# Allegro board 8880F5-0827_6.brd (continued)
## Routing (per net, layer and track width the routed paths; a pad name or vN(x,y) marks a point on that pad's centre or on a via; arc(x,y) is an arc through that point) (continued)
; 190.5,414.48 DPS8.A05 ; DPS8.A05 190.5,416.1 ; DPS8.A05 189.69,415.29 ; DPS8.A05 191.31,415.29 ; D122.A12 262.43,76.2 ; D122.A12 260.81,76.2 ; D122.A12 261.62,75.39 ; D122.A12 261.62,77.01 ; D106.A14 414.83,76.2 ; D106.A14 414.02,75.39 ; D106.A14 414.02,77.01 ; D106.A14 413.21,76.2 ; 14.43,35.56 D128.A2 ; D128.A2 15.24,36.37 ; D128.A2 15.24,34.75 ; D128.A2 16.05,35.56 ; 396.24,334.47 D109.A11 ; D109.A11 395.43,335.28 ; D109.A11 397.05,335.28 ; D109.A11 396.24,336.09 ; D231.B16 162.56,369.11 ; D231.B16 163.37,368.3 ; D231.B16 162.56,367.49 ; D231.B16 161.75,368.3 ; 403.15,71.12 D306.B10 ; D306.B10 403.86,71.83 ; D306.B10 404.57,71.12 ; D306.B10 403.86,70.41 ; 319.23,60.96 D103.B6 ; D103.B6 320.04,61.77 ; D103.B6 320.85,60.96 ; D103.B6 320.04,60.15 ; D115.B4 341.17,368.3 ; D115.B4 339.55,368.3 ; D115.B4 340.36,369.11 ; D115.B4 340.36,367.49 ; 256.54,342.09 CSDPS425.B8 ; CSDPS425.B8 257.35,342.9 ; CSDPS425.B8 255.73,342.9 ; CSDPS425.B8 256.54,343.71 ; 175.26,380.19 D431.B11 ; D431.B11 176.07,381 ; D431.B11 175.26,381.81 ; D431.B11 174.45,381 ; D431.B2 198.12,379.27 ; D431.B2 198.93,378.46 ; D431.B2 198.12,377.65 ; D431.B2 197.31,378.46 ; 408.94,367.49 D111.B6 ; D111.B6 408.13,368.3 ; D111.B6 408.94,369.11 ; D111.B6 409.75,368.3 ; D118.A15 196.39,73.66 ; D118.A15 195.58,72.85 ; D118.A15 194.77,73.66 ; D118.A15 195.58,74.47 ; D127.A10 35.56,56.69 ; D127.A10 36.37,55.88 ; D127.A10 35.56,55.07 ; D127.A10 34.75,55.88 ; D127.B10 35.56,61.77 ; D127.B10 34.75,60.96 ; D127.B10 35.56,60.15 ; D127.B10 36.37,60.96 ; 258.37,83.82 D321.A11 ; D321.A11 259.08,84.53 ; D321.A11 259.08,83.11 ; D321.A11 259.79,83.82 ; 160.02,380.19 D431.B17 ; D431.B17 160.83,381 ; D431.B17 160.02,381.81 ; D431.B17 159.21,381 ; DPS8.C05 190.5,411.02 ; DPS8.C05 189.69,410.21 ; DPS8.C05 191.31,410.21 ; DPS8.C05 190.5,409.4 ; 111.76,77.93 D130.B11 ; D130.B11 110.95,78.74 ; D130.B11 111.76,79.55 ; D130.B11 112.57,78.74 ; 187.15,332.74 CSDPS229.B6 ; CSDPS229.B6 188.77,332.74 ; CSDPS229.B6 187.96,333.55 ; CSDPS229.B6 187.96,331.93 ; 266.7,85.65 D321.A14 ; D321.A14 267.41,86.36 ; D321.A14 265.99,86.36 ; D321.A14 266.7,87.07 ; CSDPS425.C13 244.65,340.36 ; CSDPS425.C13 243.03,340.36 ; CSDPS425.C13 243.84,339.55 ; CSDPS425.C13 243.84,341.17 ; D124.B10 256.54,41.45 ; D124.B10 257.35,40.64 ; D124.B10 256.54,39.83 ; D124.B10 255.73,40.64 ; D112.B12 394.51,388.62 ; D112.B12 393.7,387.81 ; D112.B12 392.89,388.62 ; D112.B12 393.7,389.43 ; 161.85,91.44 D317.B2 ; D317.B2 163.27,91.44 ; D317.B2 162.56,92.15 ; D317.B2 162.56,90.73 ; 322.58,395.43 D116.A11 ; D116.A11 322.58,397.05 ; D116.A11 321.77,396.24 ; D116.A11 323.39,396.24 ; D124.A8 252.27,35.56 ; D124.A8 251.46,36.37 ; D124.A8 251.46,34.75 ; D124.A8 250.65,35.56 ; 413.31,71.12 D306.B14 ; D306.B14 414.02,70.41 ; D306.B14 414.02,71.83 ; D306.B14 414.73,71.12 ; D118.A3 165.91,73.66 ; D118.A3 164.29,73.66 ; D118.A3 165.1,74.47 ; D118.A3 165.1,72.85 ; 306.63,83.82 D301.A1 ; D301.A1 307.34,83.11 ; D301.A1 308.05,83.82 ; D301.A1 307.34,84.53 ; D301.B12 335.28,92.15 ; D301.B12 335.28,90.73 ; D301.B12 334.57,91.44 ; D301.B12 335.99,91.44 ; D106.B16 419.1,82.09 ; D106.B16 419.91,81.28 ; D106.B16 418.29,81.28 ; D106.B16 419.1,80.47 ; 418.39,71.12 D306.B16 ; D306.B16 419.1,70.41 ; D306.B16 419.1,71.83 ; D306.B16 419.81,71.12 ; D119.A10 183.69,55.88 ; D119.A10 182.88,56.69 ; D119.A10 182.07,55.88 ; D119.A10 182.88,55.07 ; D321.A6 247.09,86.36 ; D321.A6 246.38,87.07 ; D321.A6 246.38,85.65 ; D321.A6 245.67,86.36 ; 405.59,38.1 D108.B11 ; D108.B11 407.21,38.1 ; D108.B11 406.4,37.29 ; D108.B11 406.4,38.91 ; D126.B2 16.05,81.28 ; D126.B2 15.24,82.09 ; D126.B2 15.24,80.47 ; D126.B2 14.43,81.28 ; CSDPS225.B4 266.7,333.55 ; CSDPS225.B4 266.7,331.93 ; CSDPS225.B4 267.51,332.74 ; CSDPS225.B4 265.89,332.74 ; D116.A8 331.01,393.7 ; D116.A8 329.39,393.7 ; D116.A8 330.2,394.51 ; D116.A8 330.2,392.89 ; 395.43,396.24 D112.A11 ; D112.A11 397.05,396.24 ; D112.A11 396.24,395.43 ; D112.A11 396.24,397.05 ; D115.B7 332.74,371.65 ; D115.B7 332.74,370.03 ; D115.B7 331.93,370.84 ; D115.B7 333.55,370.84 ; D128.A16 51.61,35.56 ; D128.A16 50.8,34.75 ; D128.A16 49.99,35.56 ; D128.A16 50.8,36.37 ; D119.B6 172.72,61.77 ; D119.B6 171.91,60.96 ; D119.B6 172.72,60.15 ; D119.B6 173.53,60.96 ; D127.B4 21.13,60.96 ; D127.B4 20.32,60.15 ; D127.B4 20.32,61.77 ; D127.B4 19.51,60.96 ; D321.A2 236.22,87.07 ; D321.A2 235.51,86.36 ; D321.A2 236.22,85.65 ; D321.A2 236.93,86.36 ; 44.91,35.56 D128.A14 ; D128.A14 45.72,36.37 ; D128.A14 46.53,35.56 ; D128.A14 45.72,34.75 ; CSDPS425.C5 264.16,341.17 ; CSDPS425.C5 263.35,340.36 ; CSDPS425.C5 264.16,339.55 ; CSDPS425.C5 264.97,340.36 ; 309.07,373.38 D115.A16 ; D115.A16 309.88,374.19 ; D115.A16 309.88,372.57 ; D115.A16 310.69,373.38 ; 233.68,67.87 D322.B1 ; D322.B1 233.68,69.29 ; D322.B1 234.39,68.58 ; D322.B1 232.97,68.58 ; 251.46,331.93 CSDPS225.B10 ; CSDPS225.B10 251.46,333.55 ; CSDPS225.B10 252.27,332.74 ; CSDPS225.B10 250.65,332.74 ; CSDPS229.C9 180.34,331.01 ; CSDPS229.C9 181.15,330.2 ; CSDPS229.C9 179.53,330.2 ; CSDPS229.C9 180.34,329.39 ; D102.A6 320.85,76.2 ; D102.A6 320.04,75.39 ; D102.A6 319.23,76.2 ; D102.A6 320.04,77.01 ; SITE4.G2 329.33,181.81 ; SITE4.G2 329.33,180.85 ; SITE4.G2 329.81,181.33 ; SITE4.G2 328.85,181.33 ; D126.A12 41.45,76.2 ; D126.A12 39.83,76.2 ; D126.A12 40.64,77.01 ; D126.A12 40.64,75.39 ; D231.A3 196.39,375.92 ; D231.A3 194.77,375.92 ; D231.A3 195.58,376.73 ; D231.A3 195.58,375.11 ; 198.12,75.39 D118.A16 ; D118.A16 198.12,77.01 ; D118.A16 198.93,76.2 ; D118.A16 197.31,76.2 ; D125.B11 38.91,99.06 ; D125.B11 37.29,99.06 ; D125.B11 38.1,98.25 ; D125.B11 38.1,99.87 ; D118.A14 193.85,76.2 ; D118.A14 193.04,75.39 ; D118.A14 192.23,76.2 ; D118.A14 193.04,77.01 ; D321.B14 267.41,91.44 ; D321.B14 266.7,92.15 ; D321.B14 265.99,91.44 ; D321.B14 266.7,90.73 ; D102.B14 341.17,81.28 ; D102.B14 340.36,80.47 ; D102.B14 340.36,82.09 ; D102.B14 339.55,81.28 ; D431.B14 167.64,379.27 ; D431.B14 166.83,378.46 ; D431.B14 167.64,377.65 ; D431.B14 168.45,378.46 ; D317.B9 181.05,88.9 ; D317.B9 179.63,88.9 ; D317.B9 180.34,89.61 ; D317.B9 180.34,88.19 ; D301.A8 325.83,86.36 ; D301.A8 325.12,85.65 ; D301.A8 325.12,87.07 ; D301.A8 324.41,86.36 ; 392.99,66.04 D306.A6 ; D306.A6 394.41,66.04 ; D306.A6 393.7,65.33 ; D306.A6 393.7,66.75 ; 314.25,91.44 D301.B4 ; D301.B4 314.96,90.73 ; D301.B4 315.67,91.44 ; D301.B4 314.96,92.15 ; 110.95,38.1 D132.B11 ; D132.B11 111.76,38.91 ; D132.B11 111.76,37.29 ; D132.B11 112.57,38.1 ; 419.1,392.89 D112.A2 ; D112.A2 419.1,394.51 ; D112.A2 419.91,393.7 ; D112.A2 418.29,393.7 ; D118.B5 170.99,78.74 ; D118.B5 170.18,79.55 ; D118.B5 169.37,78.74 ; D118.B5 170.18,77.93 ; D130.A12 115.11,76.2 ; D130.A12 114.3,75.39 ; D130.A12 114.3,77.01 ; D130.A12 113.49,76.2 ; 334.47,55.88 D103.A12 ; D103.A12 335.28,55.07 ; D103.A12 336.09,55.88 ; D103.A12 335.28,56.69 ; D103.B2 310.69,60.96 ; D103.B2 309.88,60.15 ; D103.B2 309.88,61.77 ; D103.B2 309.07,60.96 ; D125.B16 51.61,101.6 ; D125.B16 49.99,101.6 ; D125.B16 50.8,100.79 ; D125.B16 50.8,102.41 ; 320.04,39.83 D104.B6 ; D104.B6 319.23,40.64 ; D104.B6 320.04,41.45 ; D104.B6 320.85,40.64 ; 322.58,57.61 D103.B7 ; D103.B7 322.58,59.23 ; D103.B7 321.77,58.42 ; D103.B7 323.39,58.42 ; D115.A4 341.17,373.38 ; D115.A4 340.36,372.57 ; D115.A4 339.55,373.38 ; D115.A4 340.36,374.19 ; 195.58,88.19 D317.B15 ; D317.B15 194.87,88.9 ; D317.B15 195.58,89.61 ; D317.B15 196.29,88.9 ; 401.32,67.87 D306.B9 ; D306.B9 402.03,68.58 ; D306.B9 400.61,68.58 ; D306.B9 401.32,69.29 ; 37.29,58.42 D127.B11 ; D127.B11 38.1,59.23 ; D127.B11 38.91,58.42 ; D127.B11 38.1,57.61 ; 314.96,70.41 D302.B4 ; D302.B4 314.25,71.12 ; D302.B4 315.67,71.12 ; D302.B4 314.96,71.83 ; D123.A1 234.49,53.34 ; D123.A1 232.87,53.34 ; D123.A1 233.68,52.53 ; D123.A1 233.68,54.15 ; 243.13,63.5 D322.A5 ; D322.A5 244.55,63.5 ; D322.A5 243.84,62.79 ; D322.A5 243.84,64.21 ; 382.73,35.56 D108.A2 ; D108.A2 384.35,35.56 ; D108.A2 383.54,34.75 ; D108.A2 383.54,36.37 ; 124.46,100.79 D129.B16 ; D129.B16 124.46,102.41 ; D129.B16 125.27,101.6 ; D129.B16 123.65,101.6 ; 192.33,91.44 D317.B14 ; D317.B14 193.04,92.15 ; D317.B14 193.04,90.73 ; D317.B14 193.75,91.44 ; D120.B7 176.07,38.1 ; D120.B7 175.26,37.29 ; D120.B7 174.45,38.1 ; D120.B7 175.26,38.91 ; 19.51,55.88 D127.A4 ; D127.A4 20.32,55.07 ; D127.A4 21.13,55.88 ; D127.A4 20.32,56.69 ; 171.91,76.2 D118.A6 ; D118.A6 173.53,76.2 ; D118.A6 172.72,75.39 ; D118.A6 172.72,77.01 ; 16.97,58.42 D127.B3 ; D127.B3 17.78,59.23 ; D127.B3 18.59,58.42 ; D127.B3 17.78,57.61 ; 344.63,40.64 D104.B16 ; D104.B16 345.44,41.45 ; D104.B16 345.44,39.83 ; D104.B16 346.25,40.64 ; D114.A4 340.36,353.87 ; D114.A4 341.17,353.06 ; D114.A4 339.55,353.06 ; D114.A4 340.36,352.25 ; D128.B12 41.45,40.64 ; D128.B12 39.83,40.64 ; D128.B12 40.64,41.45 ; D128.B12 40.64,39.83 ; D104.A13 338.63,33.02 ; D104.A13 337.82,33.83 ; D104.A13 337.82,32.21 ; D104.A13 337.01,33.02 ; 180.34,57.61 D119.B9 ; D119.B9 179.53,58.42 ; D119.B9 180.34,59.23 ; D119.B9 181.15,58.42 ; D125.A12 40.64,97.33 ; D125.A12 39.83,96.52 ; D125.A12 41.45,96.52 ; D125.A12 40.64,95.71 ; 165.1,385.27 D431.A15 ; D431.A15 165.1,386.89 ; D431.A15 165.91,386.08 ; D431.A15 164.29,386.08 ; D128.B15 48.26,38.91 ; D128.B15 47.45,38.1 ; D128.B15 48.26,37.29 ; D128.B15 49.07,38.1 ; 415.85,68.58 D306.B15 ; D306.B15 417.27,68.58 ; D306.B15 416.56,69.29 ; D306.B15 416.56,67.87 ; CSDPS429.B10 177.8,343.71 ; CSDPS429.B10 176.99,342.9 ; CSDPS429.B10 177.8,342.09 ; CSDPS429.B10 178.61,342.9 ; 165.1,370.03 D231.B15 ; D231.B15 164.29,370.84 ; D231.B15 165.91,370.84 ; D231.B15 165.1,371.65 ; 48.26,77.93 D126.B15 ; D126.B15 49.07,78.74 ; D126.B15 48.26,79.55 ; D126.B15 47.45,78.74 ; 339.65,71.12 D302.B14 ; D302.B14 340.36,71.83 ; D302.B14 341.07,71.12 ; D302.B14 340.36,70.41 ; D113.A4 341.17,332.74 ; D113.A4 340.36,333.55 ; D113.A4 340.36,331.93 ; D113.A4 339.55,332.74 ; D231.B1 200.66,371.65 ; D231.B1 201.47,370.84 ; D231.B1 199.85,370.84 ; D231.B1 200.66,370.03 ; D103.B8 325.12,61.77 ; D103.B8 325.12,60.15 ; D103.B8 325.93,60.96 ; D103.B8 324.31,60.96 ; 335.28,85.65 D301.A12 ; D301.A12 334.57,86.36 ; D301.A12 335.99,86.36 ; D301.A12 335.28,87.07 ; D107.A10 404.67,55.88 ; D107.A10 403.86,55.07 ; D107.A10 403.86,56.69 ; D107.A10 403.05,55.88 ; D131.A1 87.17,53.34 ; D131.A1 86.36,52.53 ; D131.A1 86.36,54.15 ; D131.A1 85.55,53.34 ; SITE4.G12 333.33,188.41 ; SITE4.G12 332.85,187.93 ; SITE4.G12 333.81,187.93 ; SITE4.G12 333.33,187.45 ; D114.A15 312.42,356.41 ; D114.A15 312.42,354.79 ; D114.A15 313.23,355.6 ; D114.A15 311.61,355.6 ; 14.43,55.88 D127.A2 ; D127.A2 15.24,56.69 ; D127.A2 15.24,55.07 ; D127.A2 16.05,55.88 ; 309.07,76.2 D102.A2 ; D102.A2 310.69,76.2 ; D102.A2 309.88,75.39 ; D102.A2 309.88,77.01 ; D125.B10 36.37,101.6 ; D125.B10 35.56,102.41 ; D125.B10 35.56,100.79 ; D125.B10 34.75,101.6 ; 12.7,77.93 D126.B1 ; D126.B1 13.51,78.74 ; D126.B1 12.7,79.55 ; D126.B1 11.89,78.74 ; D132.B13 116.84,38.91 ; D132.B13 117.65,38.1 ; D132.B13 116.03,38.1 ; D132.B13 116.84,37.29 ; 408.94,75.39 D106.A12 ; D106.A12 409.75,76.2 ; D106.A12 408.94,77.01 ; D106.A12 408.13,76.2 ; D109.A16 383.54,333.55 ; D109.A16 383.54,331.93 ; D109.A16 382.73,332.74 ; D109.A16 384.35,332.74 ; D119.A5 170.99,53.34 ; D119.A5 169.37,53.34 ; D119.A5 170.18,54.15 ; D119.A5 170.18,52.53 ; D103.B3 312.42,59.23 ; D103.B3 313.23,58.42 ; D103.B3 312.42,57.61 ; D103.B3 311.61,58.42 ; 190.5,37.29 D120.B13 ; D120.B13 189.69,38.1 ; D120.B13 190.5,38.91 ; D120.B13 191.31,38.1 ; 166.93,66.04 D318.A4 ; D318.A4 167.64,66.75 ; D318.A4 167.64,65.33 ; D318.A4 168.35,66.04 ; D305.B13 411.48,89.61 ; D305.B13 410.77,88.9 ; D305.B13 411.48,88.19 ; D305.B13 412.19,88.9 ; CSDPS425.C3 269.24,341.17 ; CSDPS425.C3 268.43,340.36 ; CSDPS425.C3 269.24,339.55 ; CSDPS425.C3 270.05,340.36 ; D112.B3 416.56,391.97 ; D112.B3 415.75,391.16 ; D112.B3 416.56,390.35 ; D112.B3 417.37,391.16 ; D128.A4 20.32,36.37 ; D128.A4 21.13,35.56 ; D128.A4 19.51,35.56 ; D128.A4 20.32,34.75 ; D111.A3 417.37,375.92 ; D111.A3 416.56,376.73 ; D111.A3 415.75,375.92 ; D111.A3 416.56,375.11 ; 29.67,101.6 D125.B8 ; D125.B8 31.29,101.6 ; D125.B8 30.48,100.79 ; D125.B8 30.48,102.41 ; 20.32,100.79 D125.B4 ; D125.B4 19.51,101.6 ; D125.B4 20.32,102.41 ; D125.B4 21.13,101.6 ; 329.85,187.93 SITE4.G9 ; SITE4.G9 330.33,188.41 ; SITE4.G9 330.33,187.45 ; SITE4.G9 330.81,187.93 ; D115.A11 322.58,376.73 ; D115.A11 323.39,375.92 ; D115.A11 322.58,375.11 ; D115.A11 321.77,375.92 ; 35.56,80.47 D126.B10 ; D126.B10 34.75,81.28 ; D126.B10 35.56,82.09 ; D126.B10 36.37,81.28 ; D110.A10 399.59,353.06 ; D110.A10 397.97,353.06 ; D110.A10 398.78,353.87 ; D110.A10 398.78,352.25 ; 86.36,32.21 D132.A1 ; D132.A1 87.17,33.02 ; D132.A1 85.55,33.02 ; D132.A1 86.36,33.83 ; D106.A6 394.51,76.2 ; D106.A6 392.89,76.2 ; D106.A6 393.7,77.01 ; D106.A6 393.7,75.39 ; 344.63,327.66 D113.B2 ; D113.B2 346.25,327.66 ; D113.B2 345.44,328.47 ; D113.B2 345.44,326.85 ; D107.A2 384.35,55.88 ; D107.A2 382.73,55.88 ; D107.A2 383.54,56.69 ; D107.A2 383.54,55.07 ; 383.54,352.25 D110.A16 ; D110.A16 382.73,353.06 ; D110.A16 384.35,353.06 ; D110.A16 383.54,353.87 ; CSDPS229.C3 195.58,331.01 ; CSDPS229.C3 196.39,330.2 ; CSDPS229.C3 194.77,330.2 ; CSDPS229.C3 195.58,329.39 ; D102.A16 345.44,77.01 ; D102.A16 345.44,75.39 ; D102.A16 346.25,76.2 ; D102.A16 344.63,76.2 ; D301.B13 337.82,89.61 ; D301.B13 337.11,88.9 ; D301.B13 338.53,88.9 ; D301.B13 337.82,88.19 ; D231.A2 198.93,373.38 ; D231.A2 197.31,373.38 ; D231.A2 198.12,374.19 ; D231.A2 198.12,372.57 ; D131.A12 115.11,55.88 ; D131.A12 114.3,56.69 ; D131.A12 113.49,55.88 ; D131.A12 114.3,55.07 ; 332.74,334.47 D113.A7 ; D113.A7 331.93,335.28 ; D113.A7 333.55,335.28 ; D113.A7 332.74,336.09 ; D114.A13 317.5,356.41 ; D114.A13 317.5,354.79 ; D114.A13 316.69,355.6 ; D114.A13 318.31,355.6 ; 263.35,330.2 CSDPS225.C5 ; CSDPS225.C5 264.16,329.39 ; CSDPS225.C5 264.16,331.01 ; CSDPS225.C5 264.97,330.2 ; D102.B7 322.58,79.55 ; D102.B7 321.77,78.74 ; D102.B7 323.39,78.74 ; D102.B7 322.58,77.93 ; 312.42,349.71 D114.B15 ; D114.B15 313.23,350.52 ; D114.B15 312.42,351.33 ; D114.B15 311.61,350.52 ; D122.A5 244.65,73.66 ; D122.A5 243.03,73.66 ; D122.A5 243.84,74.47 ; D122.A5 243.84,72.85 ; D131.A5 96.52,54.15 ; D131.A5 97.33,53.34 ; D131.A5 95.71,53.34 ; D131.A5 96.52,52.53 ; D306.B4 388.62,71.83 ; D306.B4 387.91,71.12 ; D306.B4 388.62,70.41 ; D306.B4 389.33,71.12 ; 190.5,375.11 D231.A5 ; D231.A5 190.5,376.73 ; D231.A5 191.31,375.92 ; D231.A5 189.69,375.92 ; D231.B10 177.8,369.11 ; D231.B10 177.8,367.49 ; D231.B10 178.61,368.3 ; D231.B10 176.99,368.3 ; 317.5,370.03 D115.B13 ; D115.B13 317.5,371.65 ; D115.B13 316.69,370.84 ; D115.B13 318.31,370.84 ; D111.B14 389.43,368.3 ; D111.B14 388.62,369.11 ; D111.B14 388.62,367.49 ; D111.B14 387.81,368.3 ; 328.85,247.93 SITE2.G8 ; SITE2.G8 329.81,247.93 ; SITE2.G8 329.33,248.41 ; SITE2.G8 329.33,247.45 ; D322.B2 236.93,71.12 ; D322.B2 235.51,71.12 ; D322.B2 236.22,71.83 ; D322.B2 236.22,70.41 ; 325.12,347.17 D114.B10 ; D114.B10 325.93,347.98 ; D114.B10 325.12,348.79 ; D114.B10 324.31,347.98 ; 175.26,72.85 D118.A7 ; D118.A7 174.45,73.66 ; D118.A7 176.07,73.66 ; D118.A7 175.26,74.47 ; D130.B7 101.6,79.55 ; D130.B7 100.79,78.74 ; D130.B7 102.41,78.74 ; D130.B7 101.6,77.93 ; 385.27,355.6 D110.A15 ; D110.A15 386.08,356.41 ; D110.A15 386.08,354.79 ; D110.A15 386.89,355.6 ; 252.33,187.45 SITE3.G11 ; SITE3.G11 252.33,188.41 ; SITE3.G11 251.85,187.93 ; SITE3.G11 252.81,187.93 ; 22.05,99.06 D125.B5 ; D125.B5 22.86,99.87 ; D125.B5 23.67,99.06 ; D125.B5 22.86,98.25 ; D128.B14 45.72,41.45 ; D128.B14 46.53,40.64 ; D128.B14 44.91,40.64 ; D128.B14 45.72,39.83 ; 105.87,99.06 D129.B9 ; D129.B9 107.49,99.06 ; D129.B9 106.68,98.25 ; D129.B9 106.68,99.87 ; CSDPS429.B8 183.69,342.9 ; CSDPS429.B8 182.88,343.71 ; CSDPS429.B8 182.07,342.9 ; CSDPS429.B8 182.88,342.09 ; D116.B4 340.36,389.43 ; D116.B4 340.36,387.81 ; D116.B4 341.17,388.62 ; D116.B4 339.55,388.62 ; 390.45,83.82 D305.A5 ; D305.A5 391.16,84.53 ; D305.A5 391.16,83.11 ; D305.A5 391.87,83.82 ; D113.B6 336.09,327.66 ; D113.B6 335.28,328.47 ; D113.B6 334.47,327.66 ; D113.B6 335.28,326.85 ; 44.91,96.52 D125.A14 ; D125.A14 46.53,96.52 ; D125.A14 45.72,97.33 ; D125.A14 45.72,95.71 ; D118.B8 177.8,82.09 ; D118.B8 176.99,81.28 ; D118.B8 178.61,81.28 ; D118.B8 177.8,80.47 ; D131.B16 125.27,60.96 ; D131.B16 124.46,61.77 ; D131.B16 123.65,60.96 ; D131.B16 124.46,60.15 ; 264.16,32.21 D124.A13 ; D124.A13 264.16,33.83 ; D124.A13 264.97,33.02 ; D124.A13 263.35,33.02 ; SITE1.G17 249.51,246.43 ; SITE1.G17 249.03,246.91 ; SITE1.G17 248.55,246.43 ; SITE1.G17 249.03,245.95 ; D305.B1 381,89.61 ; D305.B1 380.29,88.9 ; D305.B1 381.71,88.9 ; D305.B1 381,88.19 ; 331.93,375.92 D115.A7 ; D115.A7 333.55,375.92 ; D115.A7 332.74,375.11 ; D115.A7 332.74,376.73 ; 97.4,174.52 UNK3U2.4 ; UNK3U2.4 96.46,175.46 ; UNK3U2.4 98.34,175.46 ; UNK3U2.4 97.4,176.4 ; D231.A15 165.91,375.92 ; D231.A15 165.1,375.11 ; D231.A15 165.1,376.73 ; D231.A15 164.29,375.92 ; D122.B3 238.76,79.55 ; D122.B3 239.57,78.74 ; D122.B3 238.76,77.93 ; D122.B3 237.95,78.74 ; 261.62,55.07 D123.A12 ; D123.A12 262.43,55.88 ; D123.A12 260.81,55.88 ; D123.A12 261.62,56.69 ; 256.54,331.93 CSDPS225.B8 ; CSDPS225.B8 255.73,332.74 ; CSDPS225.B8 257.35,332.74 ; CSDPS225.B8 256.54,333.55 ; 269.24,77.93 D122.B15 ; D122.B15 269.24,79.55 ; D122.B15 270.05,78.74 ; D122.B15 268.43,78.74 ; D131.A4 94.79,55.88 ; D131.A4 93.17,55.88 ; D131.A4 93.98,55.07 ; D131.A4 93.98,56.69 ; 170.18,37.29 D120.B5 ; D120.B5 169.37,38.1 ; D120.B5 170.99,38.1 ; D120.B5 170.18,38.91 ; 410.77,68.58 D306.B13 ; D306.B13 411.48,69.29 ; D306.B13 412.19,68.58 ; D306.B13 411.48,67.87 ; 337.82,72.85 D102.A13 ; D102.A13 337.82,74.47 ; D102.A13 338.63,73.66 ; D102.A13 337.01,73.66 ; D106.A7 396.24,74.47 ; D106.A7 395.43,73.66 ; D106.A7 396.24,72.85 ; D106.A7 397.05,73.66 ; D119.A13 190.5,54.15 ; D119.A13 191.31,53.34 ; D119.A13 190.5,52.53 ; D119.A13 189.69,53.34 ; D131.A10 110.03,55.88 ; D131.A10 109.22,56.69 ; D131.A10 108.41,55.88 ; D131.A10 109.22,55.07 ; D104.B15 342.9,38.91 ; D104.B15 342.9,37.29 ; D104.B15 343.71,38.1 ; D104.B15 342.09,38.1 ; 93.17,81.28 D130.B4 ; D130.B4 94.79,81.28 ; D130.B4 93.98,82.09 ; D130.B4 93.98,80.47 ; D301.A3 312.42,84.53 ; D301.A3 313.13,83.82 ; D301.A3 311.71,83.82 ; D301.A3 312.42,83.11 ; D301.B9 327.66,89.61 ; D301.B9 328.37,88.9 ; D301.B9 327.66,88.19 ; D301.B9 326.95,88.9 ; D302.B12 335.28,71.83 ; D302.B12 335.28,70.41 ; D302.B12 334.57,71.12 ; D302.B12 335.99,71.12 ; 99.06,55.07 D131.A6 ; D131.A6 99.87,55.88 ; D131.A6 99.06,56.69 ; D131.A6 98.25,55.88 ; D120.A3 165.1,33.83 ; D120.A3 164.29,33.02 ; D120.A3 165.1,32.21 ; D120.A3 165.91,33.02 ; 383.54,60.15 D107.B2 ; D107.B2 383.54,61.77 ; D107.B2 382.73,60.96 ; D107.B2 384.35,60.96 ; D305.B11 406.4,89.61 ; D305.B11 407.11,88.9 ; D305.B11 405.69,88.9 ; D305.B11 406.4,88.19 ; D108.A10 403.86,36.37 ; D108.A10 404.67,35.56 ; D108.A10 403.05,35.56 ; D108.A10 403.86,34.75 ; D301.B3 313.13,88.9 ; D301.B3 311.71,88.9 ; D301.B3 312.42,89.61 ; D301.B3 312.42,88.19 ; D104.A10 330.2,36.37 ; D104.A10 331.01,35.56 ; D104.A10 329.39,35.56 ; D104.A10 330.2,34.75 ; 342.09,370.84 D115.B3 ; D115.B3 343.71,370.84 ; D115.B3 342.9,371.65 ; D115.B3 342.9,370.03 ; D110.B5 411.48,351.33 ; D110.B5 410.67,350.52 ; D110.B5 411.48,349.71 ; D110.B5 412.29,350.52 ; 416.56,13.16 DPS1.A15 ; DPS1.A15 417.37,13.97 ; DPS1.A15 415.75,13.97 ; DPS1.A15 416.56,14.78 ; 392.99,91.44 D305.B6 ; D305.B6 393.7,90.73 ; D305.B6 394.41,91.44 ; D305.B6 393.7,92.15 ; 406.4,72.85 D106.A11 ; D106.A11 405.59,73.66 ; D106.A11 407.21,73.66 ; D106.A11 406.4,74.47 ; D301.A4 314.96,87.07 ; D301.A4 314.25,86.36 ; D301.A4 314.96,85.65 ; D301.A4 315.67,86.36 ; 99.06,80.47 D130.B6 ; D130.B6 98.25,81.28 ; D130.B6 99.87,81.28 ; D130.B6 99.06,82.09 ; 185.42,339.55 CSDPS429.C7 ; CSDPS429.C7 184.61,340.36 ; CSDPS429.C7 185.42,341.17 ; CSDPS429.C7 186.23,340.36 ; 235.41,342.9 CSDPS425.B16 ; CSDPS425.B16 237.03,342.9 ; CSDPS425.B16 236.22,342.09 ; CSDPS425.B16 236.22,343.71 ; 316.69,78.74 D102.B5 ; D102.B5 318.31,78.74 ; D102.B5 317.5,77.93 ; D102.B5 317.5,79.55 ; D124.B15 269.24,38.91 ; D124.B15 268.43,38.1 ; D124.B15 269.24,37.29 ; D124.B15 270.05,38.1 ; 392.89,368.3 D111.B12 ; D111.B12 393.7,369.11 ; D111.B12 393.7,367.49 ; D111.B12 394.51,368.3 ; 332.74,72.85 D102.A11 ; D102.A11 331.93,73.66 ; D102.A11 332.74,74.47 ; D102.A11 333.55,73.66 ; D305.A14 414.73,86.36 ; D305.A14 414.02,85.65 ; D305.A14 414.02,87.07 ; D305.A14 413.31,86.36 ; D305.A13 411.48,84.53 ; D305.A13 411.48,83.11 ; D305.A13 412.19,83.82 ; D305.A13 410.77,83.82 ; 164.39,88.9 D317.B3 ; D317.B3 165.1,88.19 ; D317.B3 165.81,88.9 ; D317.B3 165.1,89.61 ; D103.B4 314.96,61.77 ; D103.B4 315.77,60.96 ; D103.B4 314.15,60.96 ; D103.B4 314.96,60.15 ; 387.81,40.64 D108.B4 ; D108.B4 388.62,41.45 ; D108.B4 388.62,39.83 ; D108.B4 389.43,40.64 ; 12.7,52.53 D127.A1 ; D127.A1 12.7,54.15 ; D127.A1 11.89,53.34 ; D127.A1 13.51,53.34 ; 185.42,52.53 D119.A11 ; D119.A11 185.42,54.15 ; D119.A11 184.61,53.34 ; D119.A11 186.23,53.34 ; D104.B10 331.01,40.64 ; D104.B10 330.2,41.45 ; D104.B10 330.2,39.83 ; D104.B10 329.39,40.64 ; D123.B15 270.05,58.42 ; D123.B15 269.24,59.23 ; D123.B15 268.43,58.42 ; D123.B15 269.24,57.61 ; 416.56,395.43 D112.A3 ; D112.A3 415.75,396.24 ; D112.A3 417.37,396.24 ; D112.A3 416.56,397.05 ; 325.12,34.75 D104.A8 ; D104.A8 324.31,35.56 ; D104.A8 325.93,35.56 ; D104.A8 325.12,36.37 ; 24.59,96.52 D125.A6 ; D125.A6 26.21,96.52 ; D125.A6 25.4,95.71 ; D125.A6 25.4,97.33 ; 263.35,38.1 D124.B13 ; D124.B13 264.97,38.1 ; D124.B13 264.16,38.91 ; D124.B13 264.16,37.29 ; UNK3U1.4 98.23,161.85 ; UNK3U1.4 97.29,162.79 ; UNK3U1.4 96.35,161.85 ; UNK3U1.4 97.29,160.91 ; D115.B2 345.44,369.11 ; D115.B2 345.44,367.49 ; D115.B2 344.63,368.3 ; D115.B2 346.25,368.3 ; D115.A2 345.44,374.19 ; D115.A2 345.44,372.57 ; D115.A2 346.25,373.38 ; D115.A2 344.63,373.38 ; CSDPS229.B4 193.04,333.55 ; CSDPS229.B4 193.04,331.93 ; CSDPS229.B4 192.23,332.74 ; CSDPS229.B4 193.85,332.74 ; SITE1.G3 250.33,241.81 ; SITE1.G3 250.81,241.33 ; SITE1.G3 250.33,240.85 ; SITE1.G3 249.85,241.33 ; 416.56,18.24 DPS1.C15 ; DPS1.C15 415.75,19.05 ; DPS1.C15 416.56,19.86 ; DPS1.C15 417.37,19.05 ; 246.38,39.83 D124.B6 ; D124.B6 247.19,40.64 ; D124.B6 245.57,40.64 ; D124.B6 246.38,41.45 ; D120.A9 180.34,33.83 ; D120.A9 181.15,33.02 ; D120.A9 180.34,32.21 ; D120.A9 179.53,33.02 ; 326.85,350.52 D114.B9 ; D114.B9 327.66,351.33 ; D114.B9 328.47,350.52 ; D114.B9 327.66,349.71 ; D107.B8 399.59,60.96 ; D107.B8 398.78,60.15 ; D107.B8 398.78,61.77 ; D107.B8 397.97,60.96 ; D132.A14 120.19,35.56 ; D132.A14 119.38,36.37 ; D132.A14 118.57,35.56 ; D132.A14 119.38,34.75 ; D108.B14 414.83,40.64 ; D108.B14 414.02,39.83 ; D108.B14 414.02,41.45 ; D108.B14 413.21,40.64 ; D130.B9 107.49,78.74 ; D130.B9 106.68,77.93 ; D130.B9 105.87,78.74 ; D130.B9 106.68,79.55 ; D128.B10 36.37,40.64 ; D128.B10 35.56,39.83 ; D128.B10 35.56,41.45 ; D128.B10 34.75,40.64 ; D114.A5 337.82,356.41 ; D114.A5 337.82,354.79 ; D114.A5 338.63,355.6 ; D114.A5 337.01,355.6 ; D322.B8 251.46,71.83 ; D322.B8 251.46,70.41 ; D322.B8 252.17,71.12 ; D322.B8 250.75,71.12 ; D104.A2 309.88,36.37 ; D104.A2 309.88,34.75 ; D104.A2 309.07,35.56 ; D104.A2 310.69,35.56 ; D132.A11 112.57,33.02 ; D132.A11 111.76,32.21 ; D132.A11 110.95,33.02 ; D132.A11 111.76,33.83 ; D111.B15 386.89,370.84 ; D111.B15 385.27,370.84 ; D111.B15 386.08,370.03 ; D111.B15 386.08,371.65 ; 232.97,83.82 D321.A1 ; D321.A1 233.68,84.53 ; D321.A1 233.68,83.11 ; D321.A1 234.39,83.82 ; D231.A14 168.45,373.38 ; D231.A14 167.64,374.19 ; D231.A14 166.83,373.38 ; D231.A14 167.64,372.57 ; SITE2.G7 328.33,248.41 ; SITE2.G7 327.85,247.93 ; SITE2.G7 328.81,247.93 ; SITE2.G7 328.33,247.45 ; D110.A8 404.67,353.06 ; D110.A8 403.86,353.87 ; D110.A8 403.05,353.06 ; D110.A8 403.86,352.25 ; D128.B9 33.83,38.1 ; D128.B9 33.02,37.29 ; D128.B9 32.21,38.1 ; D128.B9 33.02,38.91 ; D302.B13 337.82,69.29 ; D302.B13 338.53,68.58 ; D302.B13 337.82,67.87 ; D302.B13 337.11,68.58 ; SITE1.G20 252.63,246.91 ; SITE1.G20 252.15,246.43 ; SITE1.G20 253.11,246.43 ; SITE1.G20 252.63,245.95 ; 164.29,410.21 DPS8.C15 ; DPS8.C15 165.1,409.4 ; DPS8.C15 165.1,411.02 ; DPS8.C15 165.91,410.21 ; 309.17,71.12 D302.B2 ; D302.B2 310.59,71.12 ; D302.B2 309.88,71.83 ; D302.B2 309.88,70.41 ; 339.65,86.36 D301.A14 ; D301.A14 340.36,85.65 ; D301.A14 341.07,86.36 ; D301.A14 340.36,87.07 ; 271.07,86.36 D321.A16 ; D321.A16 271.78,85.65 ; D321.A16 271.78,87.07 ; D321.A16 272.49,86.36 ; 248.11,38.1 D124.B7 ; D124.B7 248.92,37.29 ; D124.B7 248.92,38.91 ; D124.B7 249.73,38.1 ; D132.B1 86.36,38.91 ; D132.B1 87.17,38.1 ; D132.B1 85.55,38.1 ; D132.B1 86.36,37.29 ; 326.85,78.74 D102.B9 ; D102.B9 327.66,79.55 ; D102.B9 328.47,78.74 ; D102.B9 327.66,77.93 ; D112.A14 388.62,394.51 ; D112.A14 387.81,393.7 ; D112.A14 388.62,392.89 ; D112.A14 389.43,393.7 ; D122.A2 237.03,76.2 ; D122.A2 236.22,75.39 ; D122.A2 235.41,76.2 ; D122.A2 236.22,77.01 ; 331.93,396.24 D116.A7 ; D116.A7 333.55,396.24 ; D116.A7 332.74,395.43 ; D116.A7 332.74,397.05 ; SITE3.G9 250.33,188.41 ; SITE3.G9 249.85,187.93 ; SITE3.G9 250.33,187.45 ; SITE3.G9 250.81,187.93 ; 397.97,388.62 D112.B10 ; D112.B10 398.78,389.43 ; D112.B10 399.59,388.62 ; D112.B10 398.78,387.81 ; D130.A10 110.03,76.2 ; D130.A10 109.22,77.01 ; D130.A10 109.22,75.39 ; D130.A10 108.41,76.2 ; 419.1,55.07 D107.A16 ; D107.A16 419.1,56.69 ; D107.A16 418.29,55.88 ; D107.A16 419.91,55.88 ; D124.B16 272.59,40.64 ; D124.B16 270.97,40.64 ; D124.B16 271.78,39.83 ; D124.B16 271.78,41.45 ; 380.19,13.97 DPS1.A01 ; DPS1.A01 381,13.16 ; DPS1.A01 381.81,13.97 ; DPS1.A01 381,14.78 ; 198.12,342.09 CSDPS429.B2 ; CSDPS429.B2 198.93,342.9 ; CSDPS429.B2 197.31,342.9 ; CSDPS429.B2 198.12,343.71 ; D126.A2 15.24,77.01 ; D126.A2 16.05,76.2 ; D126.A2 15.24,75.39 ; D126.A2 14.43,76.2 ; 169.47,63.5 D318.A5 ; D318.A5 170.89,63.5 ; D318.A5 170.18,64.21 ; D318.A5 170.18,62.79 ; D132.A9 107.49,33.02 ; D132.A9 106.68,32.21 ; D132.A9 105.87,33.02 ; D132.A9 106.68,33.83 ; SITE2.G9 330.33,248.41 ; SITE2.G9 330.81,247.93 ; SITE2.G9 329.85,247.93 ; SITE2.G9 330.33,247.45 ; 190.5,385.27 D431.A5 ; D431.A5 190.5,386.89 ; D431.A5 191.31,386.08 ; D431.A5 189.69,386.08 ; SITE2.G12 333.33,248.41 ; SITE2.G12 333.33,247.45 ; SITE2.G12 333.81,247.93 ; SITE2.G12 332.85,247.93 ; D131.B2 89.71,60.96 ; D131.B2 88.9,60.15 ; D131.B2 88.9,61.77 ; D131.B2 88.09,60.96 ; D318.A9 180.34,64.21 ; D318.A9 179.63,63.5 ; D318.A9 181.05,63.5 ; D318.A9 180.34,62.79 ; SITE1.G10 251.33,248.41 ; SITE1.G10 250.85,247.93 ; SITE1.G10 251.33,247.45 ; SITE1.G10 251.81,247.93 ; D111.A6 408.94,374.19 ; D111.A6 409.75,373.38 ; D111.A6 408.94,372.57 ; D111.A6 408.13,373.38 ; D110.A11 397.05,355.6 ; D110.A11 396.24,356.41 ; D110.A11 395.43,355.6 ; D110.A11 396.24,354.79 ; 190.5,380.19 D431.B5 ; D431.B5 190.5,381.81 ; D431.B5 191.31,381 ; D431.B5 189.69,381 ; DPS8.C01 201.47,410.21 ; DPS8.C01 199.85,410.21 ; DPS8.C01 200.66,411.02 ; DPS8.C01 200.66,409.4 ; D318.A14 193.75,66.04 ; D318.A14 193.04,65.33 ; D318.A14 193.04,66.75 ; D318.A14 192.33,66.04 ; D113.B11 323.39,330.2 ; D113.B11 322.58,329.39 ; D113.B11 321.77,330.2 ; D113.B11 322.58,331.01 ; D118.B15 195.58,79.55 ; D118.B15 196.39,78.74 ; D118.B15 195.58,77.93 ; D118.B15 194.77,78.74 ; D104.B7 323.39,38.1 ; D104.B7 322.58,37.29 ; D104.B7 321.77,38.1 ; D104.B7 322.58,38.91 ; 182.88,60.15 D119.B10 ; D119.B10 182.88,61.77 ; D119.B10 182.07,60.96 ; D119.B10 183.69,60.96 ; 330.2,65.33 D302.A10 ; D302.A10 330.2,66.75 ; D302.A10 330.91,66.04 ; D302.A10 329.49,66.04 ; D109.B3 416.56,331.01 ; D109.B3 417.37,330.2 ; D109.B3 416.56,329.39 ; D109.B3 415.75,330.2 ; 109.22,100.79 D129.B10 ; D129.B10 110.03,101.6 ; D129.B10 109.22,102.41 ; D129.B10 108.41,101.6 ; D130.A8 104.95,76.2 ; D130.A8 104.14,75.39 ; D130.A8 103.33,76.2 ; D130.A8 104.14,77.01 ; 329.33,187.45 SITE4.G8 ; SITE4.G8 329.81,187.93 ; SITE4.G8 329.33,188.41 ; SITE4.G8 328.85,187.93 ; D111.B16 384.35,368.3 ; D111.B16 383.54,369.11 ; D111.B16 383.54,367.49 ; D111.B16 382.73,368.3 ; 329.75,186.43 SITE4.G18 ; SITE4.G18 330.23,185.95 ; SITE4.G18 330.23,186.91 ; SITE4.G18 330.71,186.43 ; D128.B3 18.59,38.1 ; D128.B3 17.78,37.29 ; D128.B3 17.78,38.91 ; D128.B3 16.97,38.1 ; 98.25,40.64 D132.B6 ; D132.B6 99.87,40.64 ; D132.B6 99.06,41.45 ; D132.B6 99.06,39.83 ; DPS3.C11 259.08,19.86 ; DPS3.C11 259.89,19.05 ; DPS3.C11 258.27,19.05 ; DPS3.C11 259.08,18.24 ; 418.29,373.38 D111.A2 ; D111.A2 419.1,372.57 ; D111.A2 419.91,373.38 ; D111.A2 419.1,374.19 ; D120.B10 182.88,41.45 ; D120.B10 182.07,40.64 ; D120.B10 183.69,40.64 ; D120.B10 182.88,39.83 ; 266.7,70.41 D322.B14 ; D322.B14 266.7,71.83 ; D322.B14 267.41,71.12 ; D322.B14 265.99,71.12 ; 324.31,393.7 D116.A10 ; D116.A10 325.12,394.51 ; D116.A10 325.93,393.7 ; D116.A10 325.12,392.89 ; D318.B9 181.05,68.58 ; D318.B9 180.34,69.29 ; D318.B9 180.34,67.87 ; D318.B9 179.63,68.58 ; D124.B9 254,38.91 ; D124.B9 254,37.29 ; D124.B9 253.19,38.1 ; D124.B9 254.81,38.1 ; SITE4.G7 328.81,187.93 ; SITE4.G7 328.33,187.45 ; SITE4.G7 328.33,188.41 ; SITE4.G7 327.85,187.93 ; D317.B11 186.13,88.9 ; D317.B11 185.42,88.19 ; D317.B11 184.71,88.9 ; D317.B11 185.42,89.61 ; 342.19,88.9 D301.B15 ; D301.B15 342.9,89.61 ; D301.B15 343.61,88.9 ; D301.B15 342.9,88.19 ; D306.A10 403.86,66.75 ; D306.A10 403.86,65.33 ; D306.A10 403.15,66.04 ; D306.A10 404.57,66.04 ; 182.07,332.74 CSDPS229.B8 ; CSDPS229.B8 183.69,332.74 ; CSDPS229.B8 182.88,333.55 ; CSDPS229.B8 182.88,331.93 ; D115.B15 312.42,371.65 ; D115.B15 312.42,370.03 ; D115.B15 313.23,370.84 ; D115.B15 311.61,370.84 ; D106.B4 388.62,82.09 ; D106.B4 389.43,81.28 ; D106.B4 388.62,80.47 ; D106.B4 387.81,81.28 ; D317.B12 188.67,91.44 ; D317.B12 187.96,90.73 ; D317.B12 187.25,91.44 ; D317.B12 187.96,92.15 ; 47.45,93.98 D125.A15 ; D125.A15 48.26,94.79 ; D125.A15 48.26,93.17 ; D125.A15 49.07,93.98 ; 167.64,75.39 D118.A4 ; D118.A4 167.64,77.01 ; D118.A4 166.83,76.2 ; D118.A4 168.45,76.2 ; 392.89,81.28 D106.B6 ; D106.B6 394.51,81.28 ; D106.B6 393.7,82.09 ; D106.B6 393.7,80.47 ; 383.54,75.39 D106.A2 ; D106.A2 383.54,77.01 ; D106.A2 384.35,76.2 ; D106.A2 382.73,76.2 ; D119.B1 160.83,58.42 ; D119.B1 160.02,57.61 ; D119.B1 159.21,58.42 ; D119.B1 160.02,59.23 ; D107.A4 388.62,56.69 ; D107.A4 389.43,55.88 ; D107.A4 388.62,55.07 ; D107.A4 387.81,55.88 ; CSDPS225.B12 247.19,332.74 ; CSDPS225.B12 245.57,332.74 ; CSDPS225.B12 246.38,331.93 ; CSDPS225.B12 246.38,333.55 ; D118.B16 198.93,81.28 ; D118.B16 198.12,82.09 ; D118.B16 198.12,80.47 ; D118.B16 197.31,81.28 ; 194.87,63.5 D318.A15 ; D318.A15 195.58,62.79 ; D318.A15 196.29,63.5 ; D318.A15 195.58,64.21 ; D431.A4 193.85,383.54 ; D431.A4 193.04,384.35 ; D431.A4 193.04,382.73 ; D431.A4 192.23,383.54 ; 326.85,370.84 D115.B9 ; D115.B9 327.66,371.65 ; D115.B9 328.47,370.84 ; D115.B9 327.66,370.03 ; 258.27,340.36 CSDPS425.C7 ; CSDPS425.C7 259.89,340.36 ; CSDPS425.C7 259.08,339.55 ; CSDPS425.C7 259.08,341.17 ; D317.A3 165.1,84.53 ; D317.A3 165.81,83.82 ; D317.A3 164.39,83.82 ; D317.A3 165.1,83.11 ; 271.78,331.93 CSDPS225.B2 ; CSDPS225.B2 271.78,333.55 ; CSDPS225.B2 270.97,332.74 ; CSDPS225.B2 272.59,332.74 ; 317.5,88.19 D301.B5 ; D301.B5 317.5,89.61 ; D301.B5 318.21,88.9 ; D301.B5 316.79,88.9 ; 408.94,65.33 D306.A12 ; D306.A12 409.65,66.04 ; D306.A12 408.94,66.75 ; D306.A12 408.23,66.04 ; 189.69,330.2 CSDPS229.C5 ; CSDPS229.C5 190.5,331.01 ; CSDPS229.C5 191.31,330.2 ; CSDPS229.C5 190.5,329.39 ; 116.84,77.93 D130.B13 ; D130.B13 116.03,78.74 ; D130.B13 117.65,78.74 ; D130.B13 116.84,79.55 ; D111.A4 414.83,373.38 ; D111.A4 414.02,372.57 ; D111.A4 413.21,373.38 ; D111.A4 414.02,374.19 ; D104.B1 307.34,38.91 ; D104.B1 306.53,38.1 ; D104.B1 307.34,37.29 ; D104.B1 308.15,38.1 ; D113.A13 317.5,336.09 ; D113.A13 316.69,335.28 ; D113.A13 318.31,335.28 ; D113.A13 317.5,334.47 ; D115.A13 318.31,375.92 ; D115.A13 316.69,375.92 ; D115.A13 317.5,375.11 ; D115.A13 317.5,376.73 ; D120.A6 172.72,36.37 ; D120.A6 173.53,35.56 ; D120.A6 172.72,34.75 ; D120.A6 171.91,35.56 ; SITE3.G8 249.81,187.93 ; SITE3.G8 248.85,187.93 ; SITE3.G8 249.33,188.41 ; SITE3.G8 249.33,187.45 ; 184.61,381 D431.B7 ; D431.B7 185.42,381.81 ; D431.B7 185.42,380.19 ; D431.B7 186.23,381 ; D123.B1 234.49,58.42 ; D123.B1 233.68,57.61 ; D123.B1 232.87,58.42 ; D123.B1 233.68,59.23 ; 98.25,35.56 D132.A6 ; D132.A6 99.87,35.56 ; D132.A6 99.06,34.75 ; D132.A6 99.06,36.37 ; 331.85,241.33 SITE2.G5 ; SITE2.G5 332.33,241.81 ; SITE2.G5 332.81,241.33 ; SITE2.G5 332.33,240.85 ; D107.B5 391.97,58.42 ; D107.B5 391.16,59.23 ; D107.B5 390.35,58.42 ; D107.B5 391.16,57.61 ; 243.03,38.1 D124.B5 ; D124.B5 243.84,38.91 ; D124.B5 244.65,38.1 ; D124.B5 243.84,37.29 ; SITE4.G6 333.81,181.33 ; SITE4.G6 333.33,181.81 ; SITE4.G6 333.33,180.85 ; SITE4.G6 332.85,181.33 ; D301.B2 309.88,92.15 ; D301.B2 310.59,91.44 ; D301.B2 309.88,90.73 ; D301.B2 309.17,91.44 ; 165.1,52.53 D119.A3 ; D119.A3 165.91,53.34 ; D119.A3 165.1,54.15 ; D119.A3 164.29,53.34 ; 243.84,18.24 DPS3.C05 ; DPS3.C05 244.65,19.05 ; DPS3.C05 243.84,19.86 ; DPS3.C05 243.03,19.05 ; 312.42,395.43 D116.A15 ; D116.A15 311.61,396.24 ; D116.A15 312.42,397.05 ; D116.A15 313.23,396.24 ; D306.A16 419.1,66.75 ; D306.A16 419.1,65.33 ; D306.A16 419.81,66.04 ; D306.A16 418.39,66.04 ; D126.A16 50.8,77.01 ; D126.A16 50.8,75.39 ; D126.A16 51.61,76.2 ; D126.A16 49.99,76.2 ; 314.15,76.2 D102.A4 ; D102.A4 315.77,76.2 ; D102.A4 314.96,75.39 ; D102.A4 314.96,77.01 ; 48.26,52.53 D127.A15 ; D127.A15 48.26,54.15 ; D127.A15 49.07,53.34 ; D127.A15 47.45,53.34 ; 324.31,353.06 D114.A10 ; D114.A10 325.12,353.87 ; D114.A10 325.12,352.25 ; D114.A10 325.93,353.06 ; 32.21,33.02 D128.A9 ; D128.A9 33.02,32.21 ; D128.A9 33.83,33.02 ; D128.A9 33.02,33.83 ; 167.64,34.75 D120.A4 ; D120.A4 167.64,36.37 ; D120.A4 168.45,35.56 ; D120.A4 166.83,35.56 ; 320.04,34.75 D104.A6 ; D104.A6 320.04,36.37 ; D104.A6 320.85,35.56 ; D104.A6 319.23,35.56 ; 401.32,349.71 D110.B9 ; D110.B9 402.13,350.52 ; D110.B9 401.32,351.33 ; D110.B9 400.51,350.52 ; CSDPS429.B12 172.72,343.71 ; CSDPS429.B12 172.72,342.09 ; CSDPS429.B12 173.53,342.9 ; CSDPS429.B12 171.91,342.9 ; SITE4.G20 333.11,186.43 ; SITE4.G20 332.63,185.95 ; SITE4.G20 332.63,186.91 ; SITE4.G20 332.15,186.43 ; D113.B3 342.9,331.01 ; D113.B3 343.71,330.2 ; D113.B3 342.09,330.2 ; D113.B3 342.9,329.39 ; 172.72,70.41 D318.B6 ; D318.B6 173.43,71.12 ; D318.B6 172.01,71.12 ; D318.B6 172.72,71.83 ; D130.B16 125.27,81.28 ; D130.B16 123.65,81.28 ; D130.B16 124.46,82.09 ; D130.B16 124.46,80.47 ; 420.83,370.84 D111.B1 ; D111.B1 422.45,370.84 ; D111.B1 421.64,370.03 ; D111.B1 421.64,371.65 ; D431.A11 176.07,386.08 ; D431.A11 175.26,386.89 ; D431.A11 175.26,385.27 ; D431.A11 174.45,386.08 ; D318.B7 175.26,69.29 ; D318.B7 174.55,68.58 ; D318.B7 175.97,68.58 ; D318.B7 175.26,67.87 ; D127.A9 33.83,53.34 ; D127.A9 33.02,54.15 ; D127.A9 33.02,52.53 ; D127.A9 32.21,53.34 ; D322.B5 243.84,69.29 ; D322.B5 244.55,68.58 ; D322.B5 243.84,67.87 ; D322.B5 243.13,68.58 ; D110.B13 391.97,350.52 ; D110.B13 390.35,350.52 ; D110.B13 391.16,349.71 ; D110.B13 391.16,351.33 ; D231.A9 181.15,375.92 ; D231.A9 179.53,375.92 ; D231.A9 180.34,376.73 ; D231.A9 180.34,375.11 ; D108.A5 391.97,33.02 ; D108.A5 391.16,32.21 ; D108.A5 391.16,33.83 ; D108.A5 390.35,33.02 ; D124.A12 262.43,35.56 ; D124.A12 260.81,35.56 ; D124.A12 261.62,36.37 ; D124.A12 261.62,34.75 ; D115.B6 335.28,369.11 ; D115.B6 335.28,367.49 ; D115.B6 334.47,368.3 ; D115.B6 336.09,368.3 ; 33.02,77.93 D126.B9 ; D126.B9 33.02,79.55 ; D126.B9 33.83,78.74 ; D126.B9 32.21,78.74 ; D108.A8 399.59,35.56 ; D108.A8 398.78,36.37 ; D108.A8 398.78,34.75 ; D108.A8 397.97,35.56 ; D301.B14 340.36,92.15 ; D301.B14 340.36,90.73 ; D301.B14 341.07,91.44 ; D301.B14 339.65,91.44 ; D109.B11 396.24,331.01 ; D109.B11 395.43,330.2 ; D109.B11 396.24,329.39 ; D109.B11 397.05,330.2 ; D123.B9 254.81,58.42 ; D123.B9 253.19,58.42 ; D123.B9 254,57.61 ; D123.B9 254,59.23 ; 325.12,372.57 D115.A10 ; D115.A10 324.31,373.38 ; D115.A10 325.93,373.38 ; D115.A10 325.12,374.19 ; 328.55,182.83 SITE4.G13 ; SITE4.G13 329.03,182.35 ; SITE4.G13 329.51,182.83 ; SITE4.G13 329.03,183.31 ; 330.2,387.81 D116.B8 ; D116.B8 330.2,389.43 ; D116.B8 331.01,388.62 ; D116.B8 329.39,388.62 ; 331.93,391.16 D116.B7 ; D116.B7 332.74,391.97 ; D116.B7 332.74,390.35 ; D116.B7 333.55,391.16 ; 161.75,373.38 D231.A16 ; D231.A16 162.56,372.57 ; D231.A16 162.56,374.19 ; D231.A16 163.37,373.38 ; D302.A7 323.29,63.5 ; D302.A7 322.58,64.21 ; D302.A7 321.87,63.5 ; D302.A7 322.58,62.79 ; D119.A4 167.64,56.69 ; D119.A4 166.83,55.88 ; D119.A4 167.64,55.07 ; D119.A4 168.45,55.88 ; 182.07,81.28 D118.B10 ; D118.B10 183.69,81.28 ; D118.B10 182.88,80.47 ; D118.B10 182.88,82.09 ; 101.6,57.61 D131.B7 ; D131.B7 102.41,58.42 ; D131.B7 101.6,59.23 ; D131.B7 100.79,58.42 ; 320.04,367.49 D115.B12 ; D115.B12 320.85,368.3 ; D115.B12 319.23,368.3 ; D115.B12 320.04,369.11 ; D111.A5 412.29,375.92 ; D111.A5 410.67,375.92 ; D111.A5 411.48,375.11 ; D111.A5 411.48,376.73 ; SITE3.G5 252.81,181.33 ; SITE3.G5 252.33,180.85 ; SITE3.G5 251.85,181.33 ; SITE3.G5 252.33,181.81 ; 312.42,390.35 D116.B15 ; D116.B15 313.23,391.16 ; D116.B15 311.61,391.16 ; D116.B15 312.42,391.97 ; 321.77,350.52 D114.B11 ; D114.B11 323.39,350.52 ; D114.B11 322.58,351.33 ; D114.B11 322.58,349.71 ; 328.55,246.43 SITE2.G17 ; SITE2.G17 329.51,246.43 ; SITE2.G17 329.03,246.91 ; SITE2.G17 329.03,245.95 ; D126.B12 41.45,81.28 ; D126.B12 40.64,80.47 ; D126.B12 39.83,81.28 ; D126.B12 40.64,82.09 ; DPS3.A05 243.84,14.78 ; DPS3.A05 244.65,13.97 ; DPS3.A05 243.03,13.97 ; DPS3.A05 243.84,13.16 ; 339.55,35.56 D104.A14 ; D104.A14 340.36,36.37 ; D104.A14 340.36,34.75 ; D104.A14 341.17,35.56 ; D321.B8 251.46,92.15 ; D321.B8 251.46,90.73 ; D321.B8 252.17,91.44 ; D321.B8 250.75,91.44 ; 322.58,67.87 D302.B7 ; D302.B7 323.29,68.58 ; D302.B7 322.58,69.29 ; D302.B7 321.87,68.58 ; D305.B2 383.54,92.15 ; D305.B2 383.54,90.73 ; D305.B2 382.83,91.44 ; D305.B2 384.25,91.44 ; D431.B4 193.04,379.27 ; D431.B4 192.23,378.46 ; D431.B4 193.04,377.65 ; D431.B4 193.85,378.46 ; SITE2.G6 333.81,241.33 ; SITE2.G6 333.33,240.85 ; SITE2.G6 333.33,241.81 ; SITE2.G6 332.85,241.33 ; 381,62.79 D306.A1 ; D306.A1 380.29,63.5 ; D306.A1 381.71,63.5 ; D306.A1 381,64.21 ; D108.B13 411.48,38.91 ; D108.B13 410.67,38.1 ; D108.B13 412.29,38.1 ; D108.B13 411.48,37.29 ; DPS2.A01 347.98,416.1 ; DPS2.A01 347.17,415.29 ; DPS2.A01 348.79,415.29 ; DPS2.A01 347.98,414.48 ; SITE3.G13 249.51,182.83 ; SITE3.G13 249.03,183.31 ; SITE3.G13 249.03,182.35 ; SITE3.G13 248.55,182.83 ; 113.49,101.6 D129.B12 ; D129.B12 114.3,102.41 ; D129.B12 115.11,101.6 ; D129.B12 114.3,100.79 ; 388.62,331.93 D109.A14 ; D109.A14 388.62,333.55 ; D109.A14 389.43,332.74 ; D109.A14 387.81,332.74 ; D305.A4 389.33,86.36 ; D305.A4 388.62,85.65 ; D305.A4 387.91,86.36 ; D305.A4 388.62,87.07 ; D109.B10 398.78,328.47 ; D109.B10 398.78,326.85 ; D109.B10 399.59,327.66 ; D109.B10 397.97,327.66 ; D132.B10 110.03,40.64 ; D132.B10 109.22,41.45 ; D132.B10 108.41,40.64 ; D132.B10 109.22,39.83 ; 42.37,93.98 D125.A13 ; D125.A13 43.18,93.17 ; D125.A13 43.18,94.79 ; D125.A13 43.99,93.98 ; 339.55,393.7 D116.A4 ; D116.A4 341.17,393.7 ; D116.A4 340.36,394.51 ; D116.A4 340.36,392.89 ; D125.A16 50.8,97.33 ; D125.A16 50.8,95.71 ; D125.A16 49.99,96.52 ; D125.A16 51.61,96.52 ; 258.27,78.74 D122.B11 ; D122.B11 259.89,78.74 ; D122.B11 259.08,77.93 ; D122.B11 259.08,79.55 ; D112.A12 394.51,393.7 ; D112.A12 393.7,392.89 ; D112.A12 392.89,393.7 ; D112.A12 393.7,394.51 ; 243.03,33.02 D124.A5 ; D124.A5 244.65,33.02 ; D124.A5 243.84,32.21 ; D124.A5 243.84,33.83 ; D109.A1 422.45,335.28 ; D109.A1 421.64,334.47 ; D109.A1 421.64,336.09 ; D109.A1 420.83,335.28 ; 380.19,33.02 D108.A1 ; D108.A1 381.81,33.02 ; D108.A1 381,32.21 ; D108.A1 381,33.83 ; D301.A7 322.58,84.53 ; D301.A7 321.87,83.82 ; D301.A7 323.29,83.82 ; D301.A7 322.58,83.11 ; D431.B10 177.8,379.27 ; D431.B10 177.8,377.65 ; D431.B10 176.99,378.46 ; D431.B10 178.61,378.46 ; 197.41,71.12 D318.B16 ; D318.B16 198.12,71.83 ; D318.B16 198.83,71.12 ; D318.B16 198.12,70.41 ; 259.08,88.19 D321.B11 ; D321.B11 258.37,88.9 ; D321.B11 259.79,88.9 ; D321.B11 259.08,89.61 ; D108.A16 419.1,36.37 ; D108.A16 419.91,35.56 ; D108.A16 419.1,34.75 ; D108.A16 418.29,35.56 ; 381,67.87 D306.B1 ; D306.B1 381,69.29 ; D306.B1 381.71,68.58 ; D306.B1 380.29,68.58 